# Altium PCB PMSM_Driver_V0.16.PcbDoc (part 1 of 2)
Units mil, origin at the board's own origin, x right, y up, seen from the top; angles counter-clockwise.
Board outline 3933.5 x 3936.3 mil, 2 copper layers (Top Layer, Bottom Layer); 174 components, 117 nets, 508 pads, 484 vias.
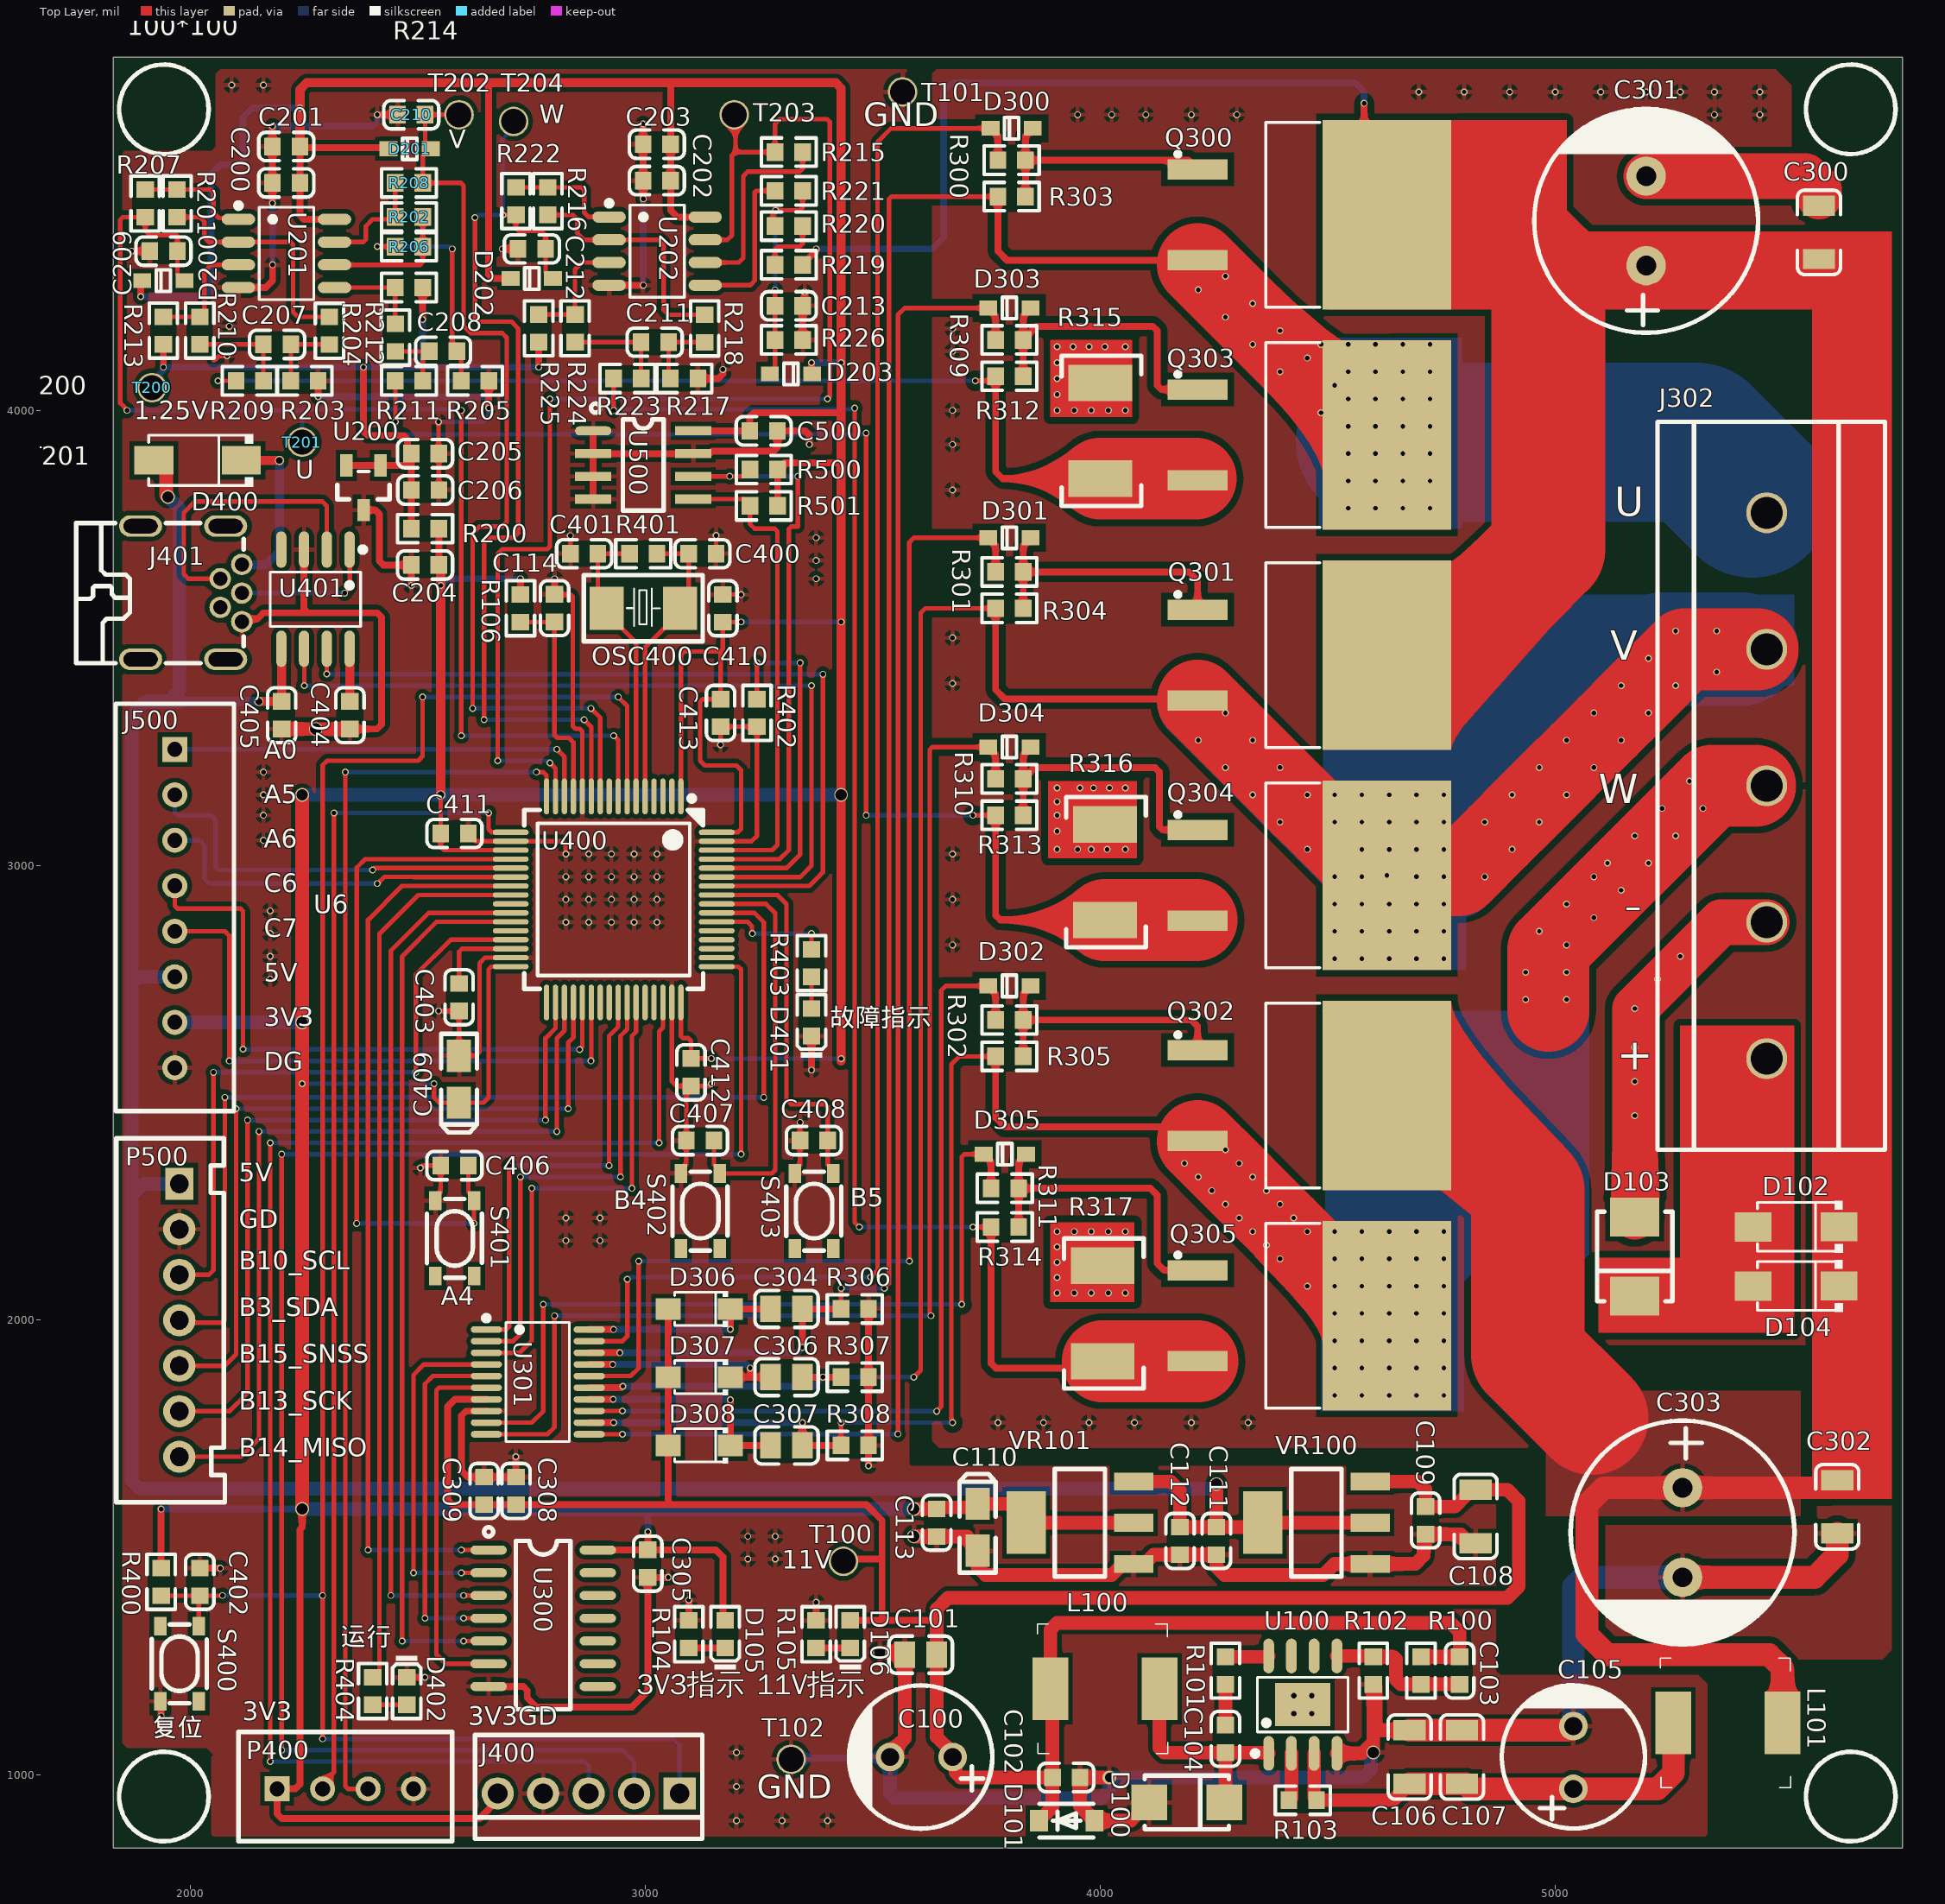
[diagram p0: Top Layer view]
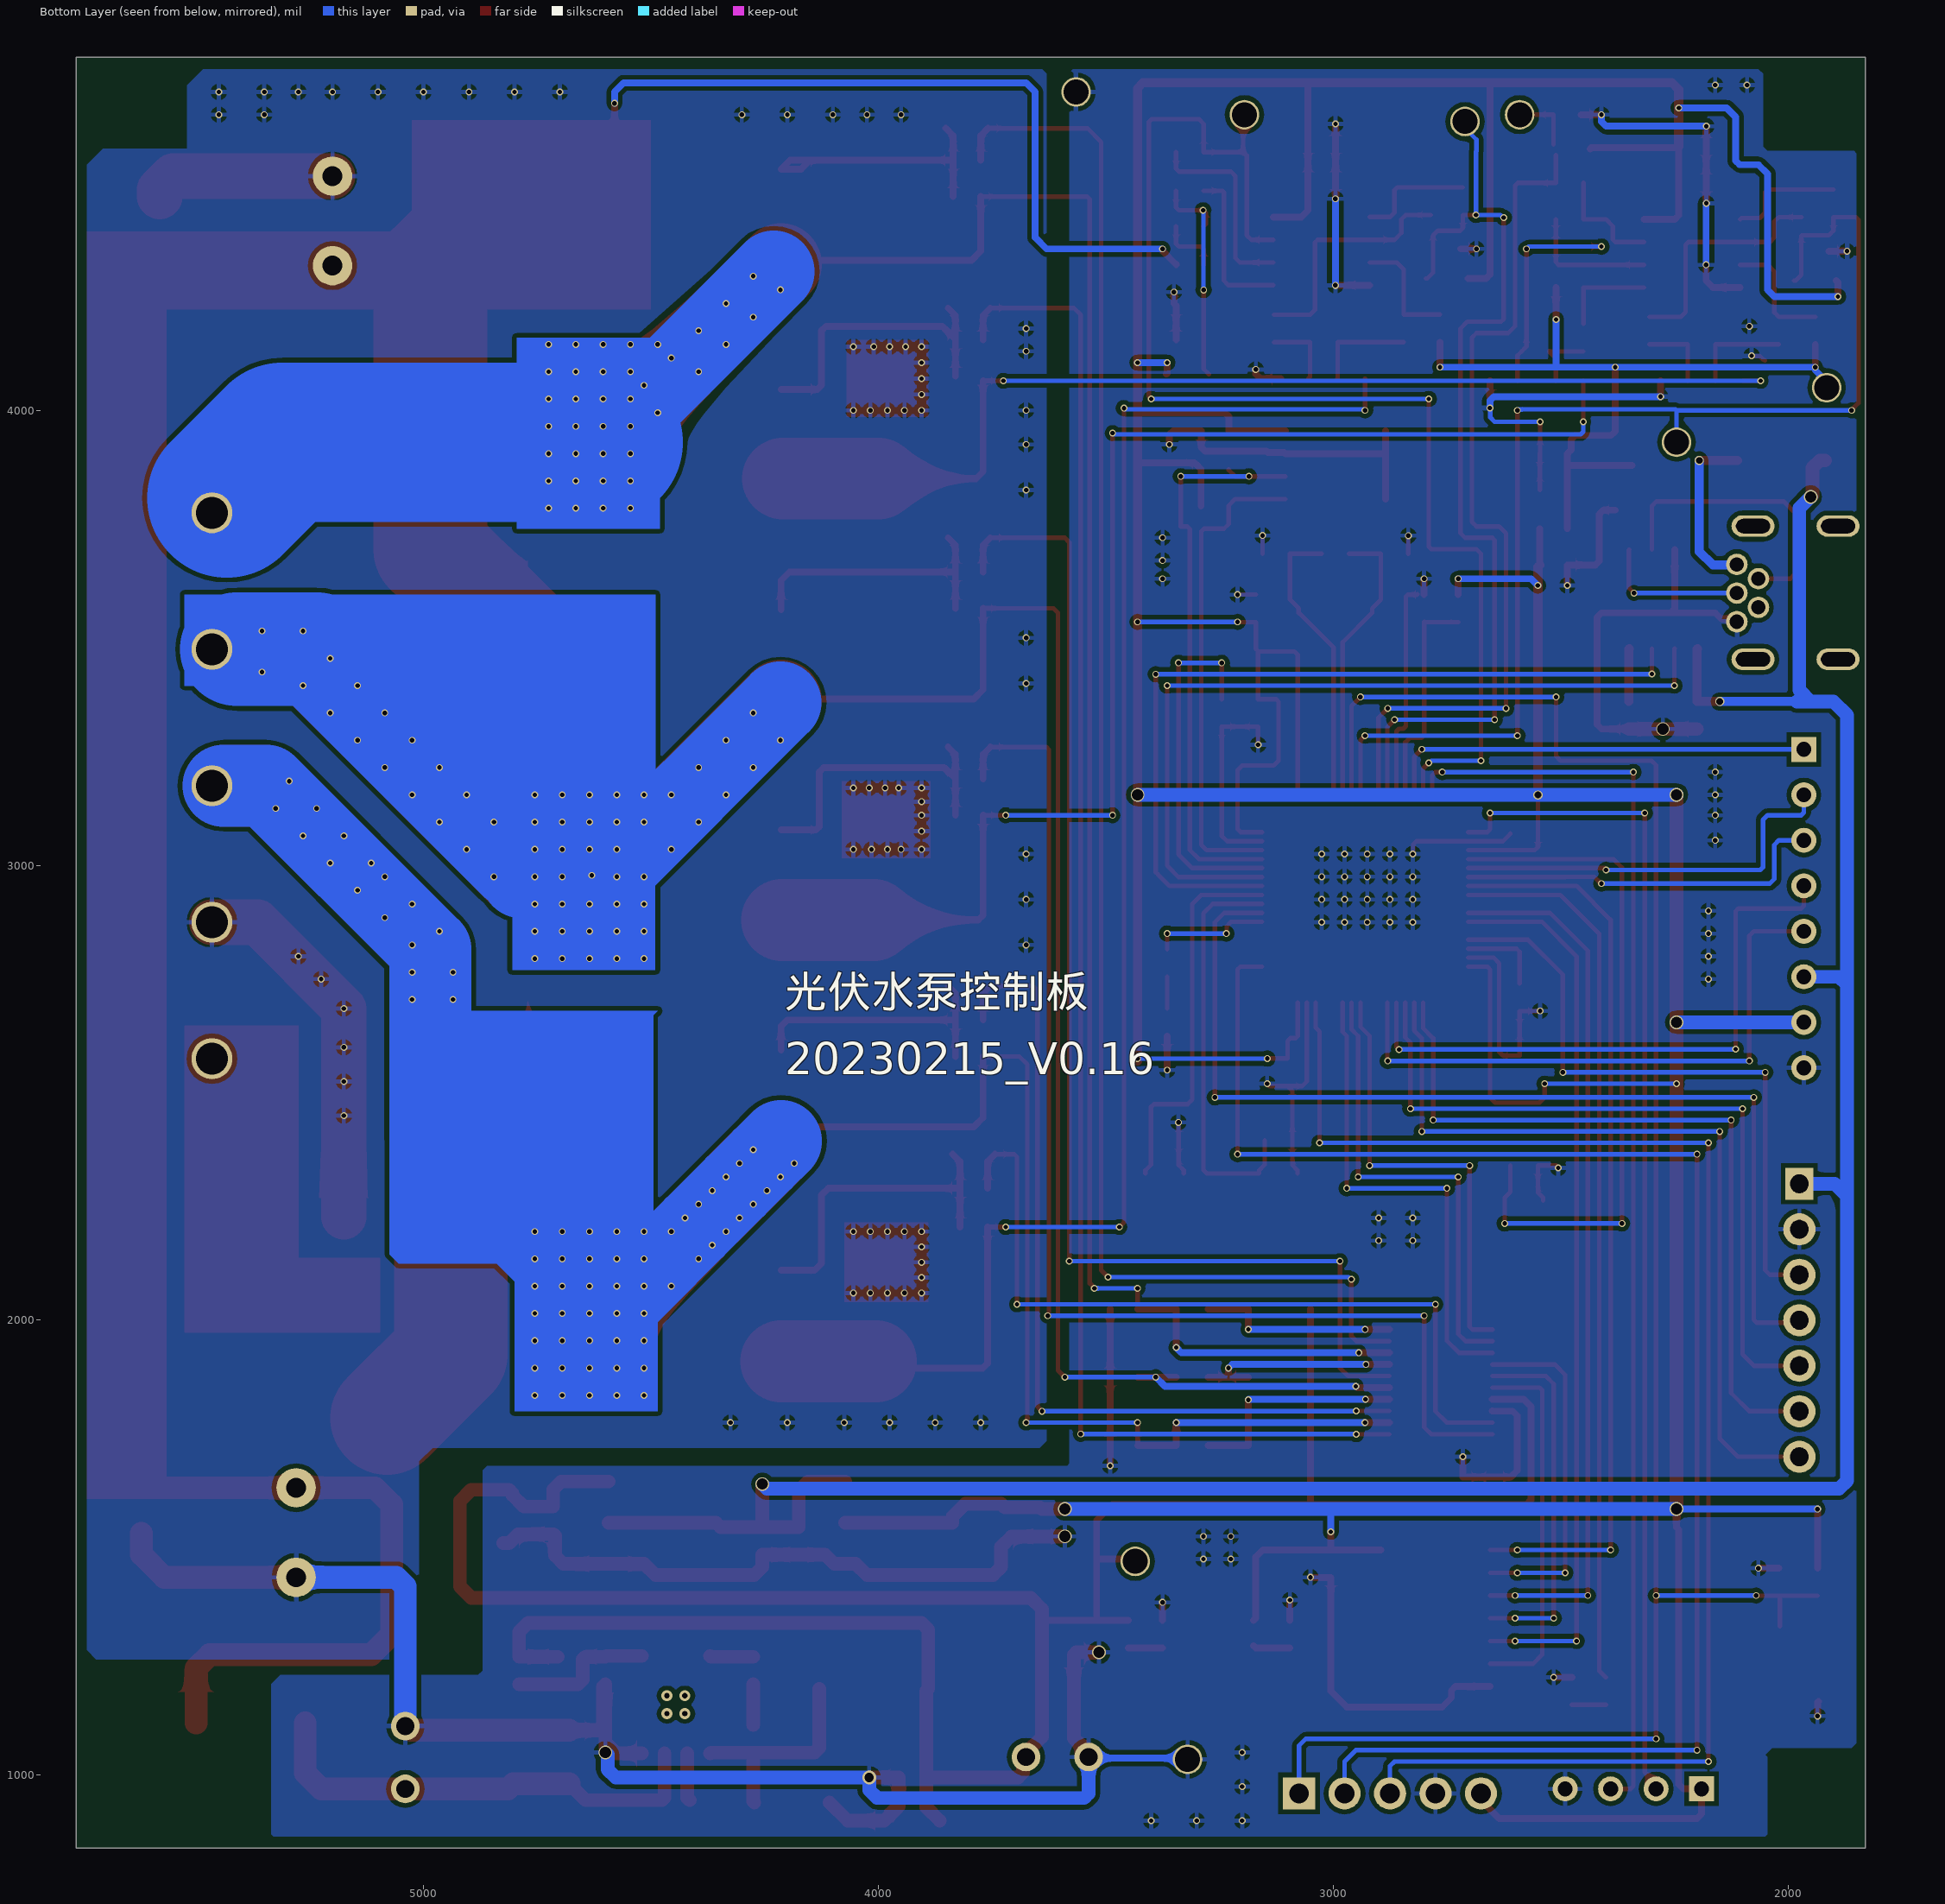
[diagram p1: Bottom Layer view, seen from below]
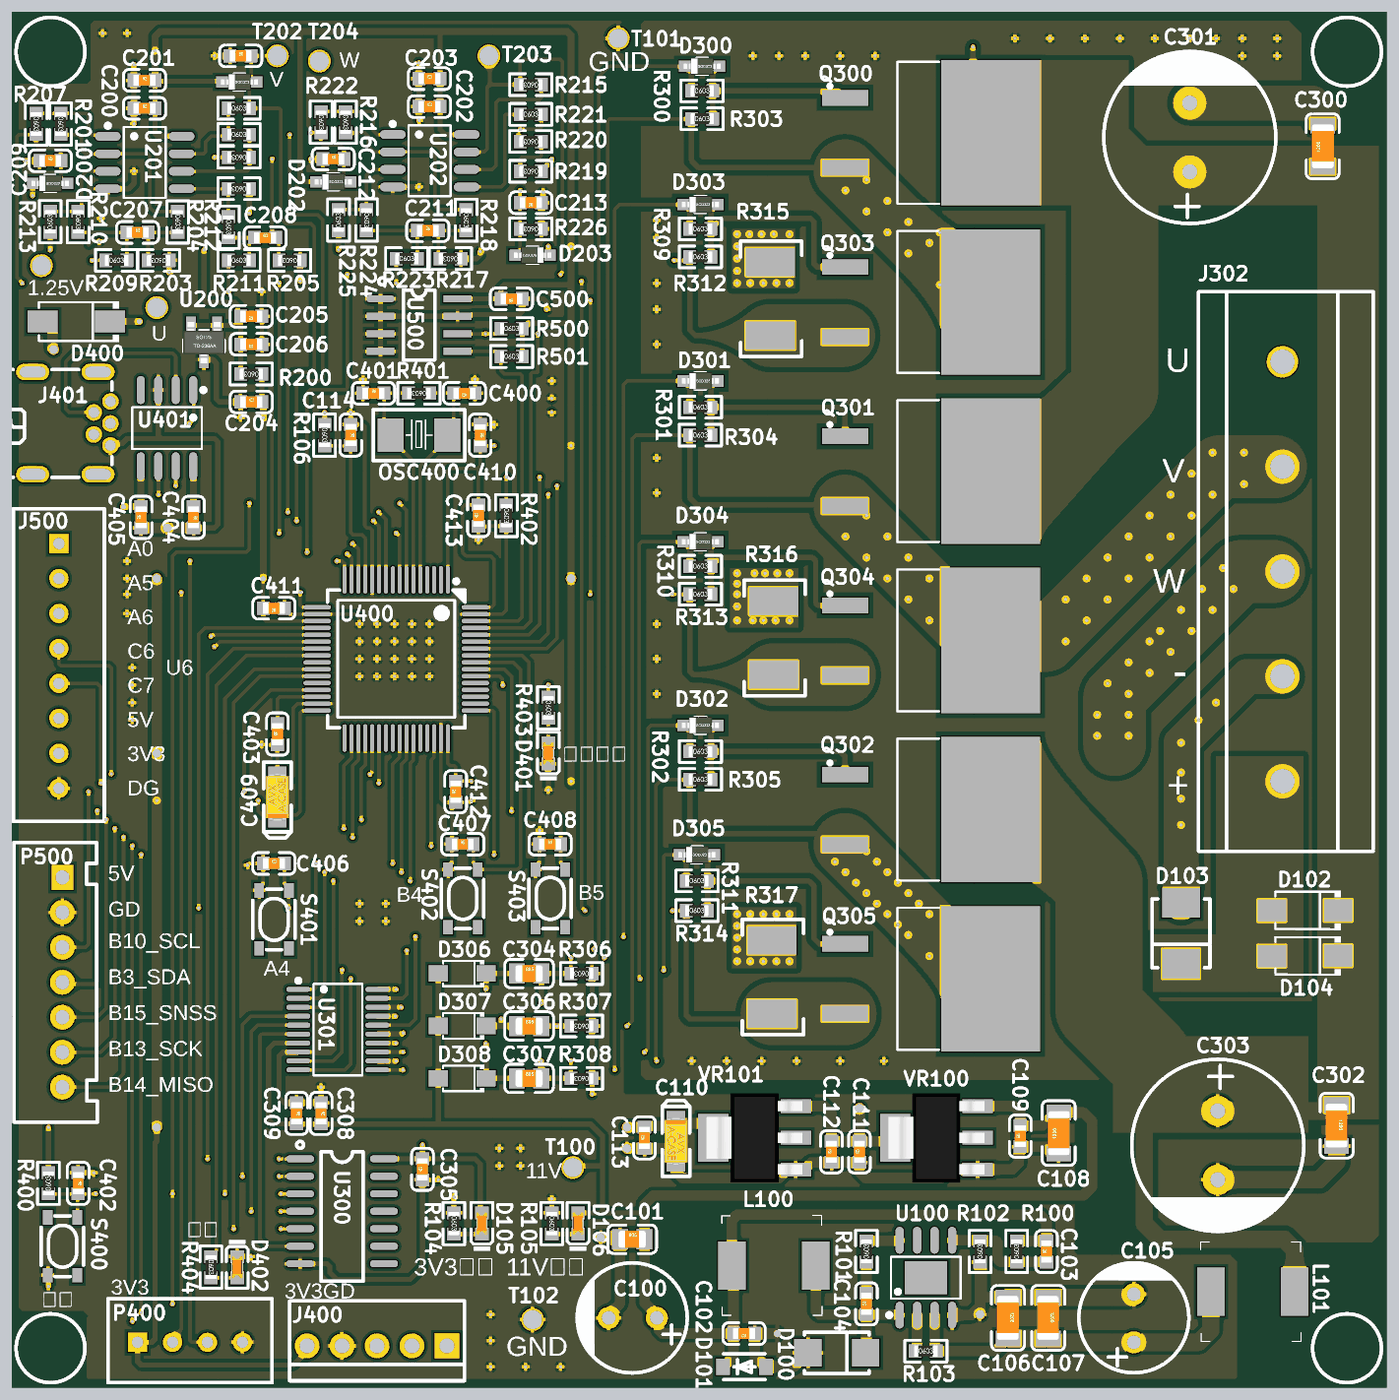
[diagram p3: 3D render of the assembled board from above, using the file's embedded part models]

## Layer stack, top to bottom
Top Solder: solder mask 0.4, Solder Resist, Dk 3.5
Top Layer: signal copper 1.4
Dielectric 1: dielectric 12.6, FR-4, Dk 4.8
Bottom Layer: signal copper 1.4
Bottom Solder: solder mask 0.4, Solder Resist, Dk 3.5

## Board outline
1830,840 1830,4776.3 5763.5,4776.3 5763.5,840

## Design rules (kind name [scope] priority, off if disabled: settings)
Clearance [All] p1: gap=6 ignorepadtopadclearanceinfootprint=FALSE
ComponentClearance [All] p1: gap=0 collisioncheckmode=3 verticalgap=0 showdistances=FALSE
HoleToHoleClearance [All] p1: gap=0 allowstackedmicrovias=TRUE
MinimumSolderMaskSliver [All] p1: minsoldermaskwidth=0
PolygonConnect [All] p1: connectstyle=Relief reliefconductorwidth=10 reliefentries=4 polygonreliefangle="90 Angle" airgapwidth=10
RoutingVias [All] p1: holewidth=10 width=13 viastyle="Through Hole" minholewidth=10 minwidth=13 maxholewidth=50 maxwidth=50
SilkToSilkClearance [All] p1: silktosilkclearance=0
SilkToSolderMaskClearance [IsPad] p1: minsilkscreentomaskgap=0 clearancetoexposedcopper=TRUE
SolderMaskExpansion [All] p1: expansion=4 istentingtop=FALSE
Width [All] p1: maxlimit=500 minlimit=10 preferedwidth=10
25 further rules are at their usual default settings.

## Classes and differential pairs
component class 05_Peripheral: C500 J500 P500 R500 R501 U500
component class 04_Mcu: C400 C401 C402 C403 C404 C405 C406 C407 C408 C409 C410 C411 C412 C413 D400 D401 D402 J400 J401 OSC400 P400 R400 R401 R402 R403 R404 S400 S401 S402 S403 U400 U401
component class 03_MOS_Drive: C300 C301 C302 C303 C304 C305 C306 C307 C308 C309 D300 D301 D302 D303 D304 D305 D306 D307 D308 J302 Q300 Q301 Q302 Q303 Q304 Q305 R300 R301 R302 R303 R304 R305 R306 R307 R308 R309 R310 R311 R312 R313 R314 R315 R316 R317 U300 U301
component class 02_Sensor: C200 C201 C202 C203 C204 C205 C206 C207 C208 C209 C210 C211 C212 C213 D200 D201 D202 D203 R200 R201 R202 R203 R204 R205 R206 R207 R208 R209 R210 R211 R212 R213 R214 R215 R216 R217 R218 R219 R220 R221 R222 R223 R224 R225 R226 T200 T201 T202 T203 T204 U200 U201 U202
component class 01_Power: C100 C101 C102 C103 C104 C105 C106 C107 C108 C109 C110 C111 C112 C113 C114 D100 D101 D102 D103 D104 D105 D106 L100 L101 R100 R101 R102 R103 R104 R105 R106 T100 T101 T102 U100 VR100 VR101

## Components (designator, comment, footprint, x,y, rotation, side; value= is the part's Value field where it differs from the comment)
C100 "470uF/25V" 47UF/100V 3605,1040 r180 top
C101 "22uF (226) 20% 25V" LC-0805_C 3605,1265 r0 top
C102 "100nF (104) 10% 50V" LC-0603_C 3925,995 r180 top
C103 "47pF (470) 5% 50V" LC-0603_C 4790,1230 r90 top
C104 "100nF (104) 10% 50V" LC-0603_C 4275,1080 r90 top
C105 "47uF/100V" 47UF/100V 5039.97,1040.4 r90 top
C106 "2.2uF (225) 10% 100V" LC-1206_C 4680,1040 r270 top
C107 "100nF (104) 10% 100V" LC-1206_C 4795,1040 r270 top
C108 "10uF (106) 10% 50V" LC-1206_C 4825,1568.66 r90 top
C109 "100nF (104) 10% 50V" LC-0603_C 4715,1560 r90 top
C110 "10uF (106) ±10% 16V" LC-CASE-A_3216 3730,1545 r90 top
C111 "100nF (104) 10% 50V" LC-0603_C 4255,1515 r90 top
C112 "100nF (104) 10% 50V" LC-0603_C 4175,1515 r90 top
C113 "100nF (104) 10% 50V" LC-0603_C 3640,1555 r90 top
C114 "100nF (104) 10% 50V" LC-0603_C 2800,3565.32 r270 top
C200 "10uF (106) 10% 10V" LC-0603_C 2210,4500 r0 top
C201 "100nF (104) 10% 50V" LC-0603_C 2210,4580 r0 top
C202 "100nF (104) 10% 50V" LC-0603_C 3025,4505 r0 top
C203 "10uF (106) 10% 10V" LC-0603_C 3025,4585 r0 top
C204 "10uF (106) 10% 10V" LC-0603_C 2515.32,3660 r0 top
C205 "10uF (106) 10% 10V" LC-0603_C 2515.32,3905 r180 top
C206 "100nF (104) 10% 50V" LC-0603_C 2515.63,3825 r180 top
C207 "100pF (101) 5% 50V" LC-0603_C 2190,4145 r0 top
C208 "100pF (101) 5% 50V" LC-0603_C 2555,4130 r0 top
C209 "1nF (102) 10% 50V" LC-0603_C 1940.32,4350 r0 top
C210 "1nF (102) 10% 50V" LC-0603_C 2485,4650 r0 top
C211 "100pF (101) 5% 50V" LC-0603_C 3020.32,4150 r0 top
C212 "1nF (102) 10% 50V" LC-0603_C 2750,4355 r0 top
C213 "2.2uF (225) 10% 16V" LC-0603_C 3315,4230 r180 top
C300 "2.2uF (225) 10% 100V" LC-1206_C 5580,4391.34 r90 top
C301 "220uF/100V" 220UF/100V 5200,4318.15 r90 top
C302 "2.2uF (225) 10% 100V" LC-1206_C 5620,1590 r270 top
C303 "220uF/100V" 220UF/100V 5280,1631.85 r270 top
C304 "4.7uF (475) 10% 25V" LC-0805_C 3310,2025 r0 top
C305 "100nF (104) 10% 50V" LC-0603_C 3005,1465 r90 top
C306 "4.7uF (475) 10% 25V" LC-0805_C 3310,1875 r0 top
C307 "4.7uF (475) 10% 25V" LC-0805_C 3310,1725 r0 top
C308 "4.7uF (475) 10% 25V" LC-0603_C 2715,1625 r270 top
C309 "100nF (104) 10% 50V" LC-0603_C 2645,1625 r270 top
C400 "22pF (220) 5% 50V" LC-0603_C 3125,3685 r180 top
C401 "22pF (220) 5% 50V" LC-0603_C 2865,3685 r0 top
C402 "100nF (104) 10% 50V" LC-0603_C 2020,1425 r270 top
C403 "2.2uF (225) 10% 16V" LC-0603_C 2590,2710 r90 top
C404 "100nF (104) 10% 50V" LC-0603_C 2350,3330 r270 top
C405 "100nF (104) 10% 50V" LC-0603_C 2200,3330 r90 top
C406 "100nF (104) 10% 50V" LC-0603_C 2580,2340 r0 top
C407 "100nF (104) 10% 50V" LC-0603_C 3120,2395 r0 top
C408 "100nF (104) 10% 50V" LC-0603_C 3370,2395 r0 top
C409 "10uF (106) ±10% 16V" LC-CASE-A_3216 2590,2530 r270 top
C410 "100nF (104) 10% 50V" LC-0603_C 3170,3565 r270 top
C411 "100nF (104) 10% 50V" LC-0603_C 2580,3070 r180 top
C412 "100nF (104) 10% 50V" LC-0603_C 3100,2545 r90 top
C413 "100nF (104) 10% 50V" LC-0603_C 3165,3335 r90 top
C500 "100nF (104) 10% 50V" LC-0603_C 3259.68,3955 r180 top
D100 "SS310" LC-SMA(DO-214AC)_S1 4190,940 r180 top
D101 "SMF12A" "SMF12A - duplicate" 3865,900 r0 top
D102 "SS510" SS510 5624.29,2205.74 r180 top
D103 "SMAJ75CA" LC-SMB(DO-214AA)_S1 5175,2140 r90 top
D104 "SS510" SS510 5624.29,2075.74 r180 top
D105 "绿灯 0603" LC-0603_LED_S1 3175,1310 r90 top
D106 "绿灯 0603" LC-0603_LED_S1 3450,1310 r90 top
D200 "1N4148WS T4" LC-SOD-323 1940,4285 r0 top
D201 "1N4148WS T4" LC-SOD-323 2481.46,4575 r0 top
D202 "1N4148WS T4" LC-SOD-323 2750,4290 r0 top
D203 "1N4148WS T4" LC-SOD-323 3320,4080 r180 top
D300 "1N4148WS T4" LC-SOD-323 3805,4620 r0 top
D301 "1N4148WS T4" LC-SOD-323 3800,3720 r0 top
D302 "1N4148WS T4" LC-SOD-323 3800,2735 r0 top
D303 "1N4148WS T4" LC-SOD-323 3800,4225 r0 top
D304 "1N4148WS T4" LC-SOD-323 3800,3260 r0 top
D305 "1N4148WS T4" LC-SOD-323 3790,2365 r0 top
D306 "DSK110" DSK110 3186.61,2025 r180 top
D307 "DSK110" DSK110 3186.61,1875 r180 top
D308 "DSK110" DSK110 3186.61,1725 r180 top
D400 "SS54" SS54 2015,3890 r180 top
D401 "红灯 0603" LC-0603_LED_S1 3365,2655 r90 top
D402 "绿灯 0603" LC-0603_LED_S1 2475,1185 r270 top
J302 "CON5" "7.62-5P 端子" 5465,3775 r270 top locked
J400 "KF2510-5A" KF2510-5A 2870,974.17 r180 top
J401 "USB MINI" USB_MINI 2165.11,4623.34 r270 top
J500 "CON8" 2.54_8P_PHI 1965,3255 r270 top
L100 "47uH/0650" 0650_47uH 4000,1190 r180 top locked
L101 "47uH/0650" 0650_47uH 5370,1115 r180 top
OSC400 "8MHZ-5032" 8MHZ-5032 2995,3565 r180 top
P400 "Header 4" 2.54_4P_PIN 2190,970 r0 top
P500 "Header 7" XH2.54-7P 1975,2300 r270 top
Q300 "IRFS3607TRLPBF" TO-263-2 4322.68,4437 r0 top
Q301 "IRFS3607TRLPBF" TO-263-2 4322.68,3469 r0 top
Q302 "IRFS3607TRLPBF" TO-263-2 4322.68,2501 r0 top
Q303 "IRFS3607TRLPBF" TO-263-2 4322.68,3953 r0 top locked
Q304 "IRFS3607TRLPBF" TO-263-2 4322.68,2985 r0 top locked
Q305 "IRFS3607TRLPBF" TO-263-2 4322.68,2017 r0 top
R100 "301KΩ  ±1%" LC-0603_R 4705,1230 r90 top
R101 "22Ω (22R0) ±1%" LC-0603_R 4275,1230 r90 top
R102 "23.7KΩ (1502) ±1%" LC-0603_R 4600,1230 r90 top
R103 "30mΩ ±1%" LC-0603_R 4445,945 r0 top
R104 "10KΩ (1002) ±1%" LC-0603_R 3095,1310 r270 top
R105 "10KΩ (1002) ±1%" LC-0603_R 3375,1310 r270 top
R106 "0Ω (0R0) ±1%" LC-0603_R 2725,3565 r270 top
R200 "220Ω (2200) ±1%" LC-0603_R 2515.32,3740 r180 top
R201 "12KΩ (1202) ±1%" LC-0603_R 1970,4455 r270 top
R202 "12KΩ (1202) ±1%" LC-0603_R 2480,4425 r0 top
R203 "1KΩ (1001) ±1%" LC-0603_R 2250,4065 r180 top
R204 "1KΩ (1001) ±1%" LC-0603_R 2305,4175 r270 top
R205 "1KΩ (1001) ±1%" LC-0603_R 2625,4065 r180 top
R206 "1KΩ (1001) ±1%" LC-0603_R 2480,4360 r180 top